# Altium PCB RS2-708_V010.PcbDoc (part 1 of 4)
Units mil, origin at the board's own origin, x right, y up, seen from the top; angles counter-clockwise.
Board outline 2677.17 x 2677.17 mil, 4 copper layers (Top Layer, Layer 1, Layer 2, Bottom Layer), stack 30.841 mil thick; 243 components, 173 nets, 854 pads, 395 vias.
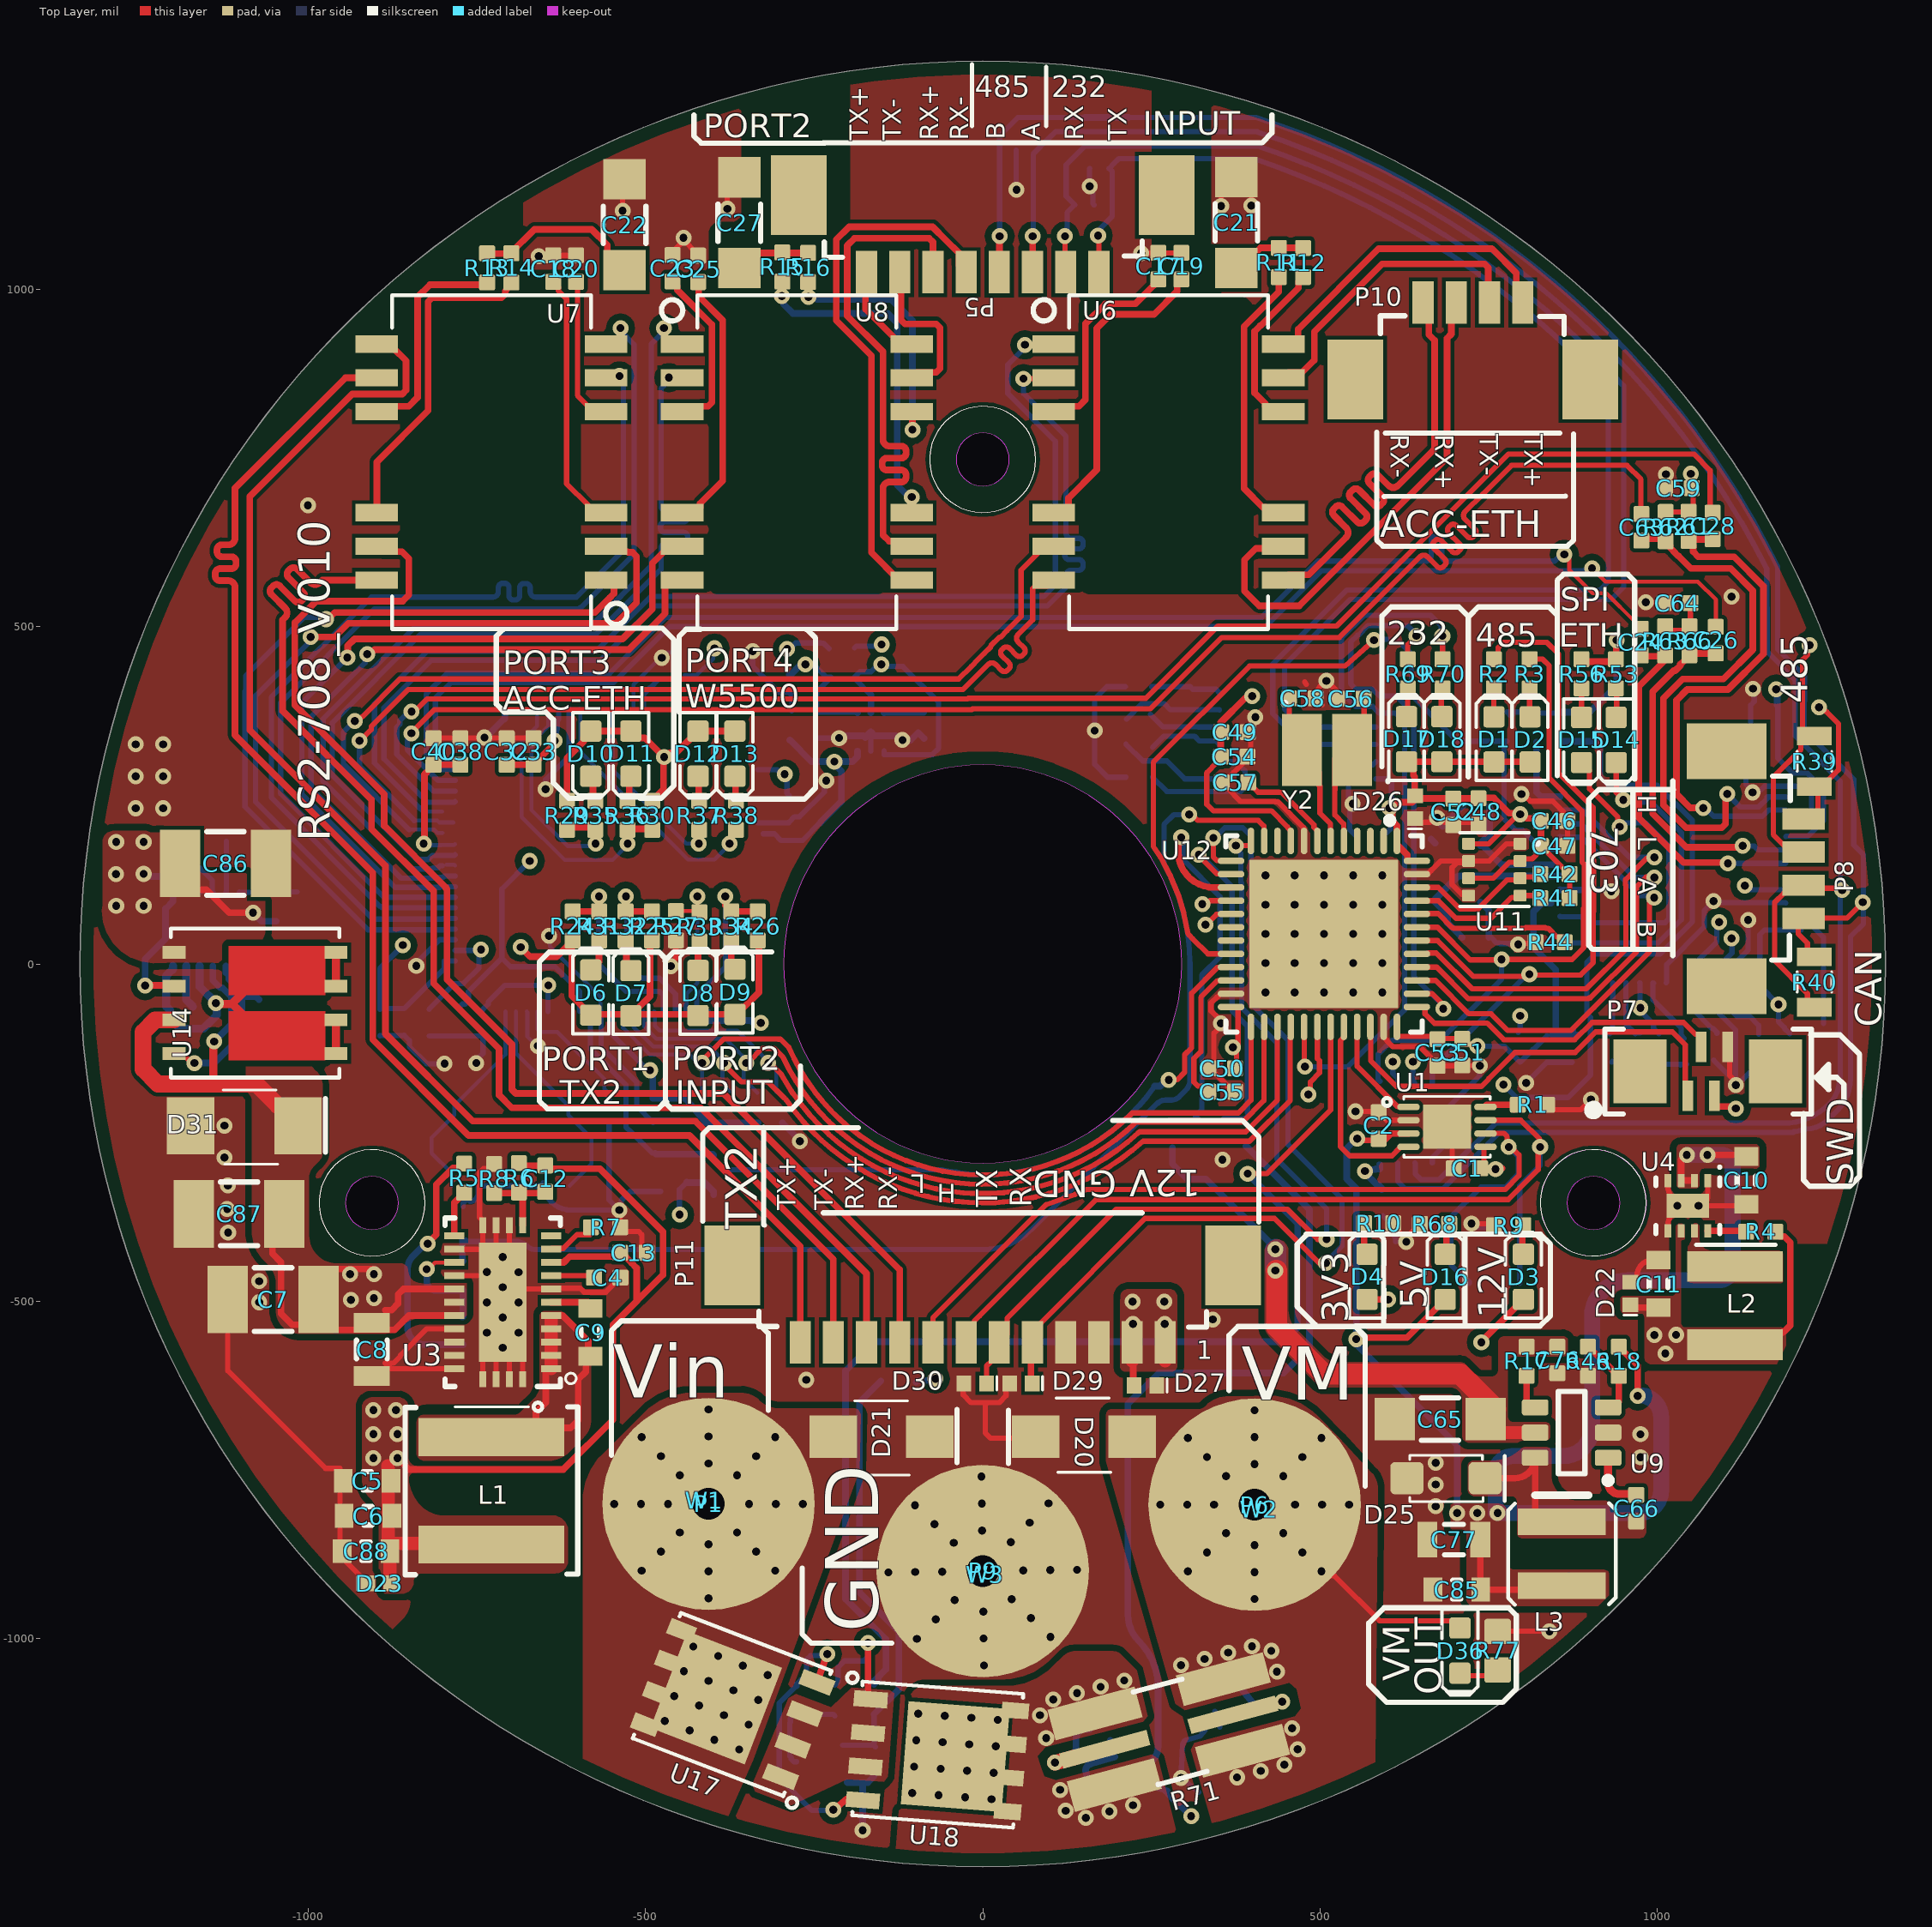
[diagram p0: Top Layer view]
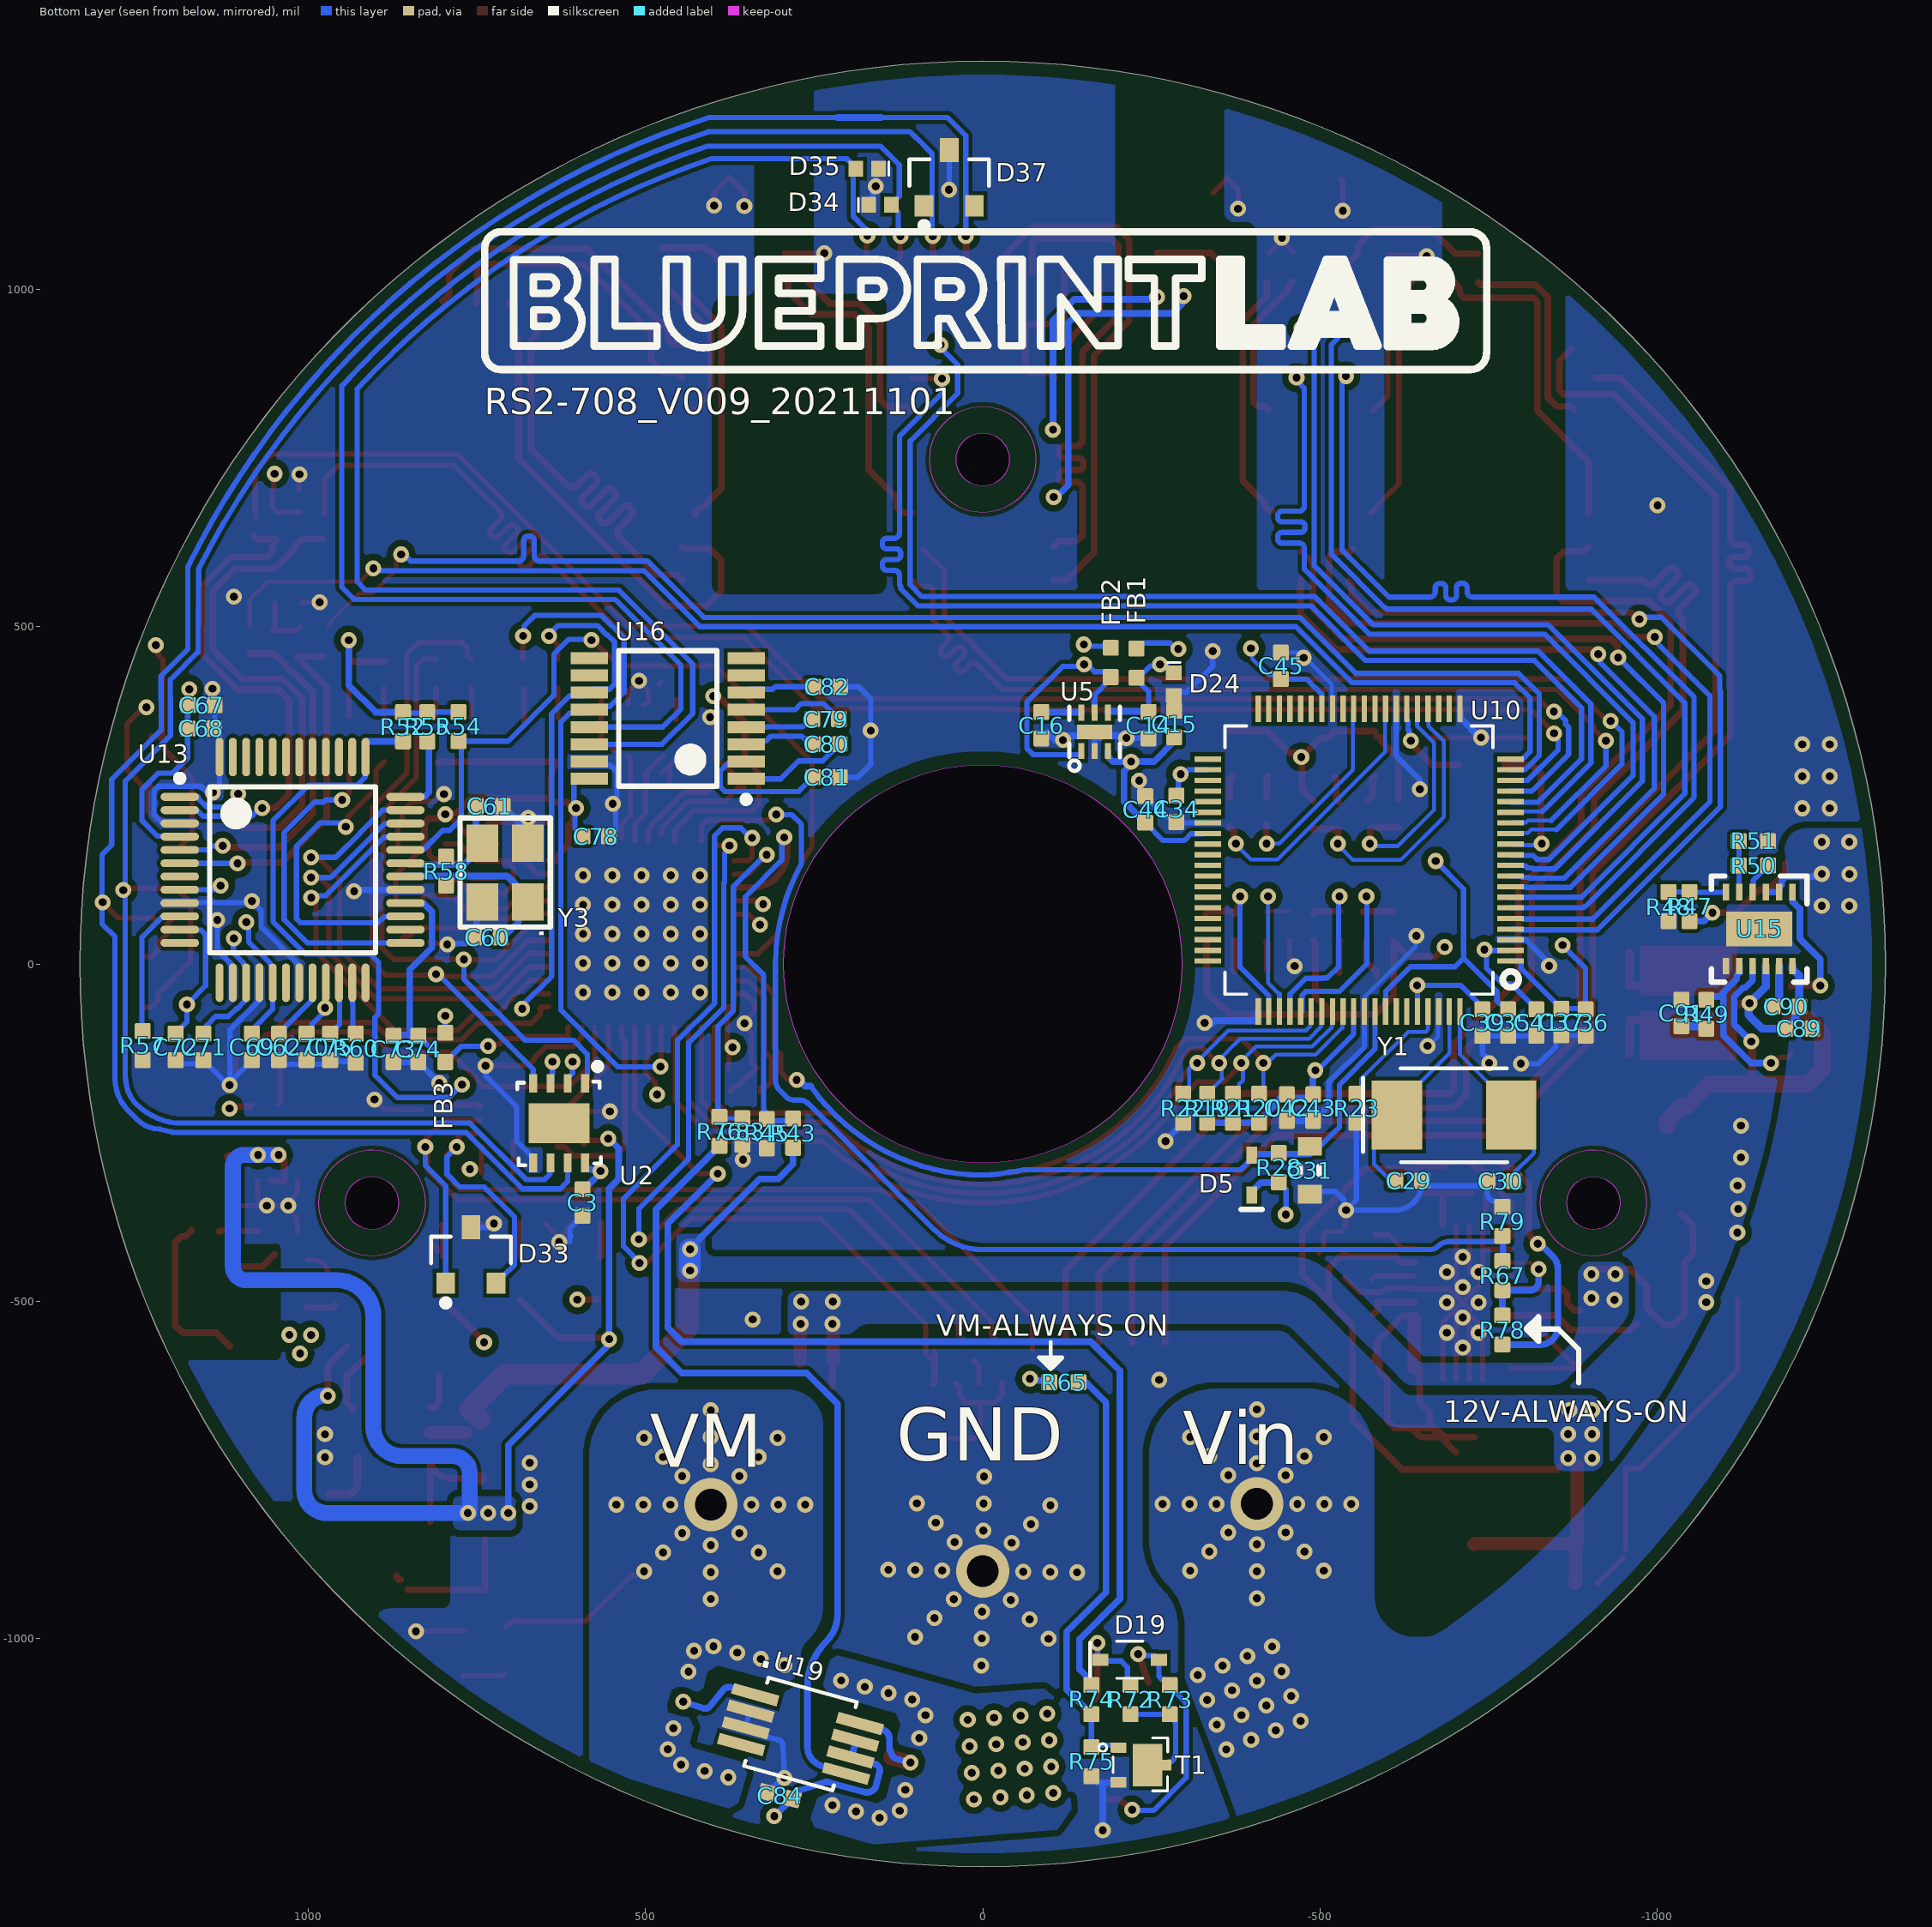
[diagram p1: Bottom Layer view, seen from below]
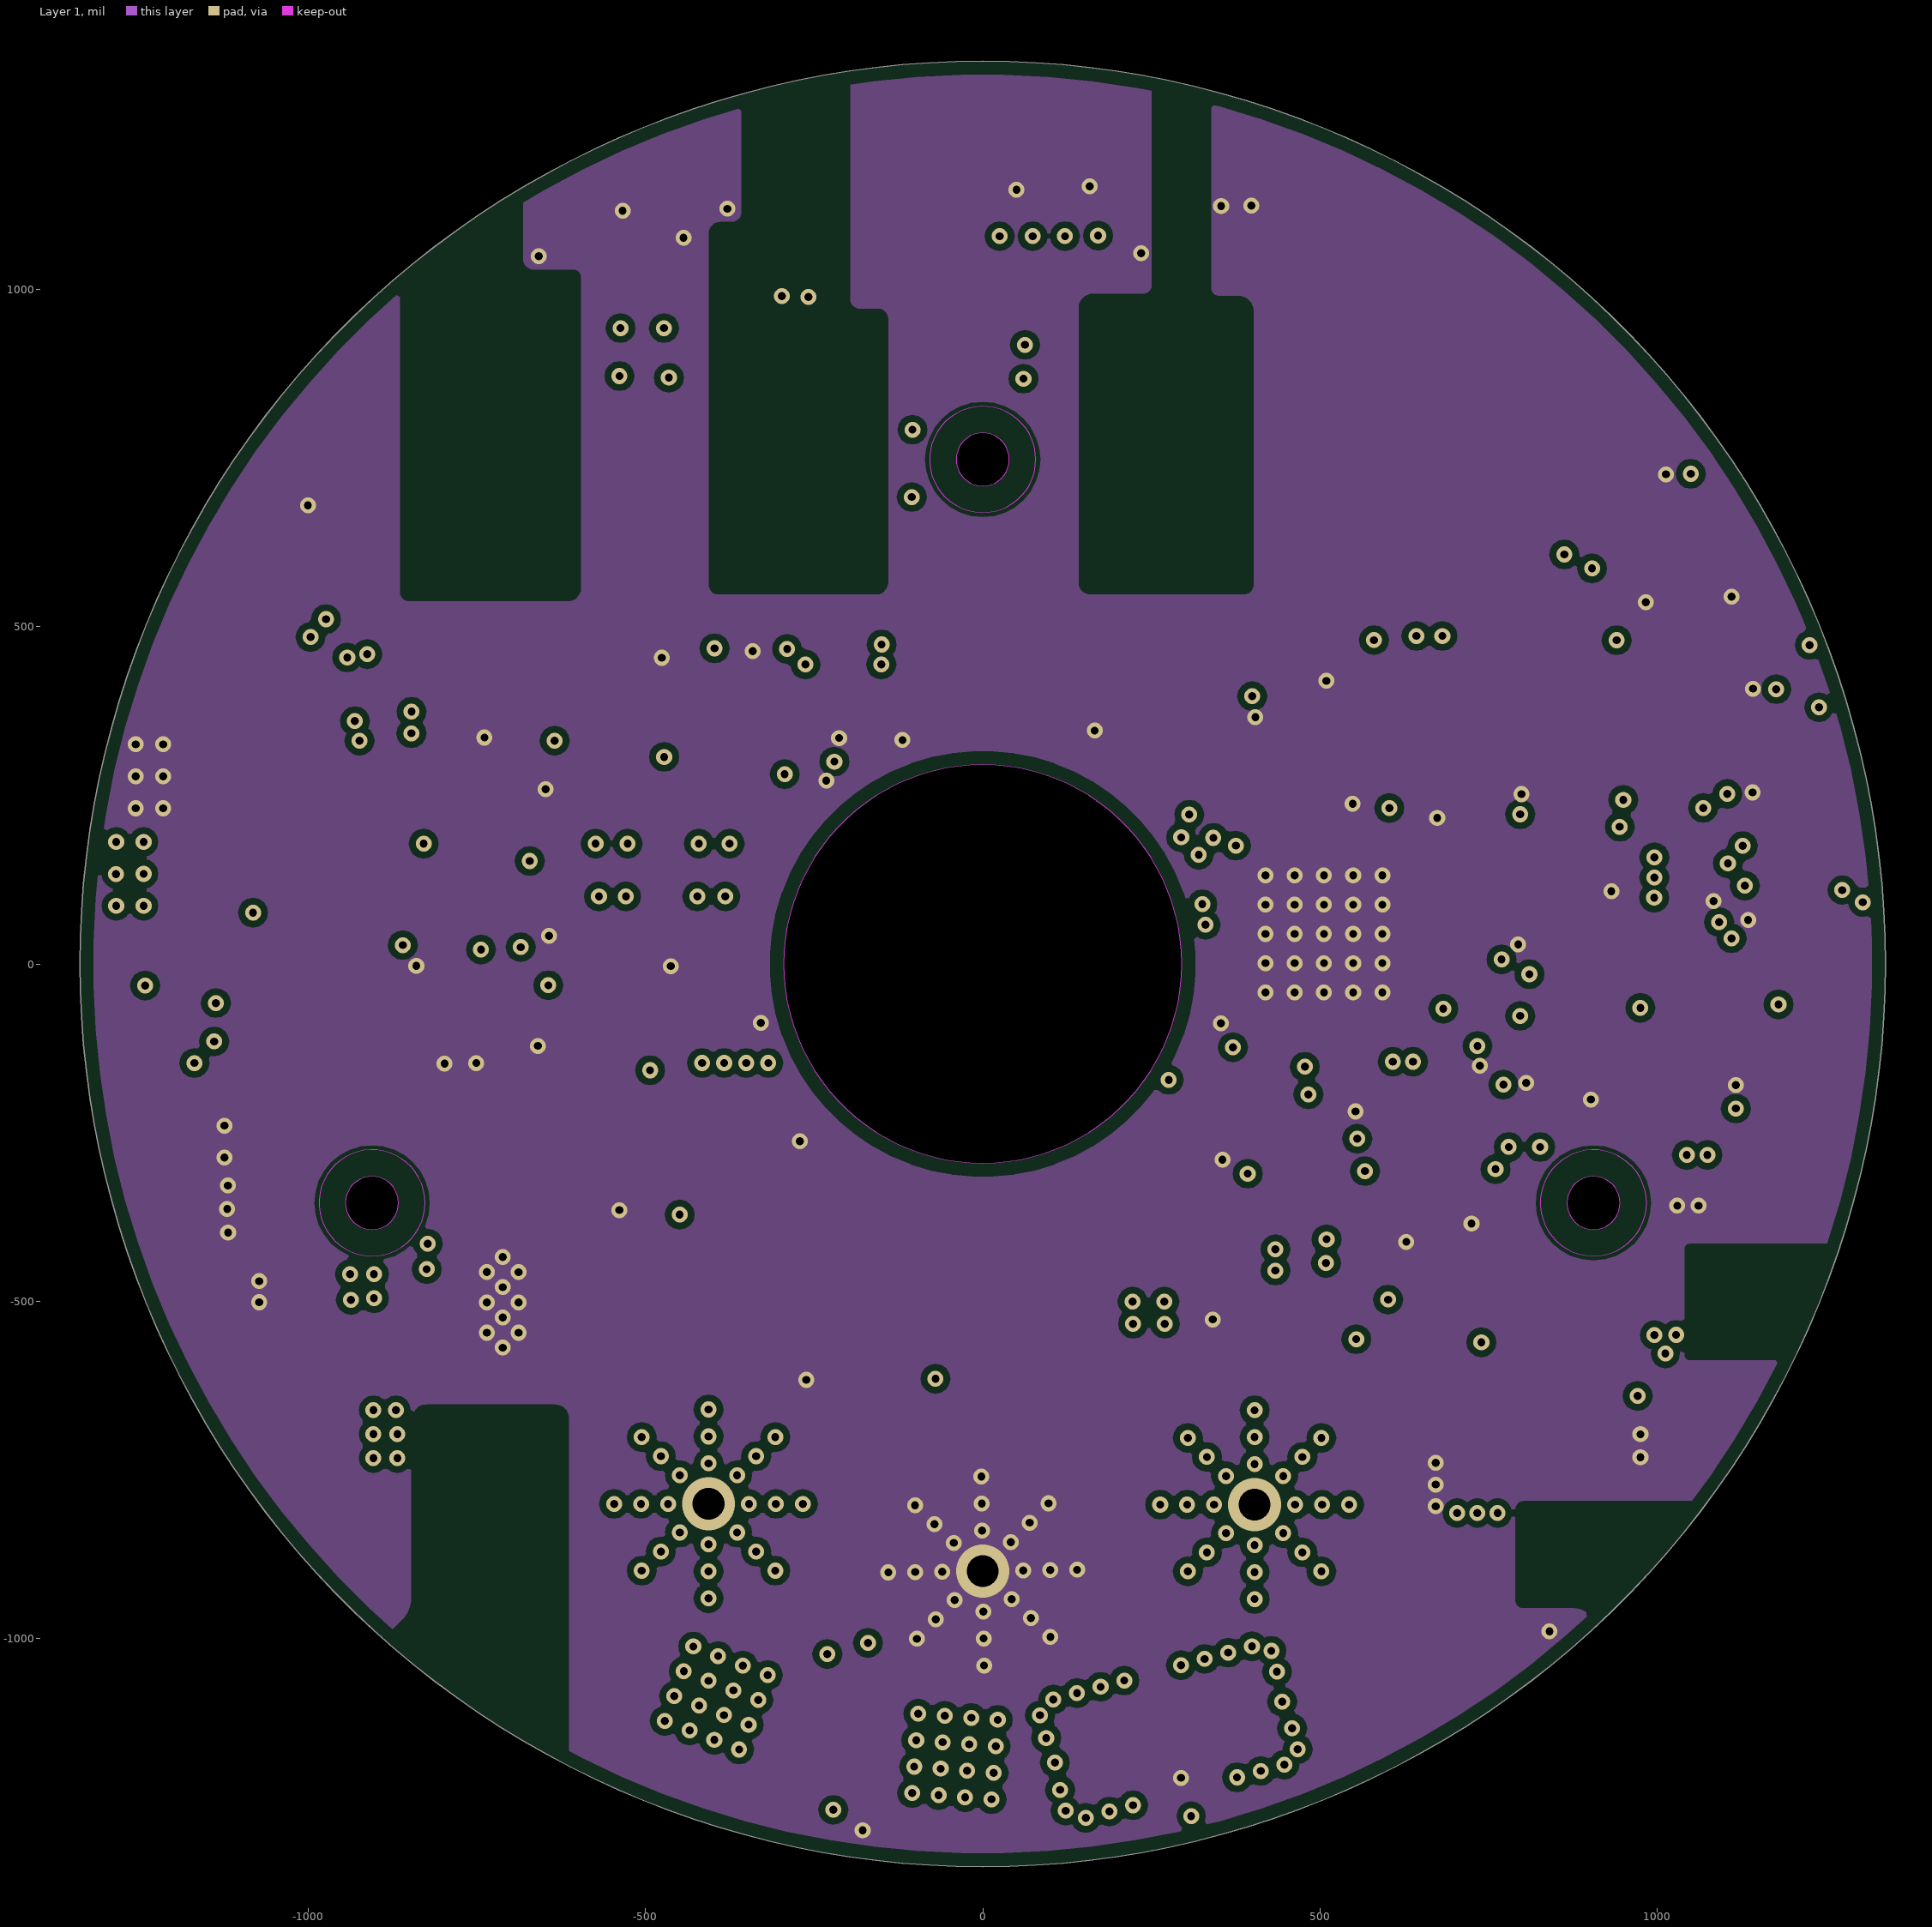
[diagram p2: Layer 1]